# KiCad board VNA.kicad_pcb (continued)
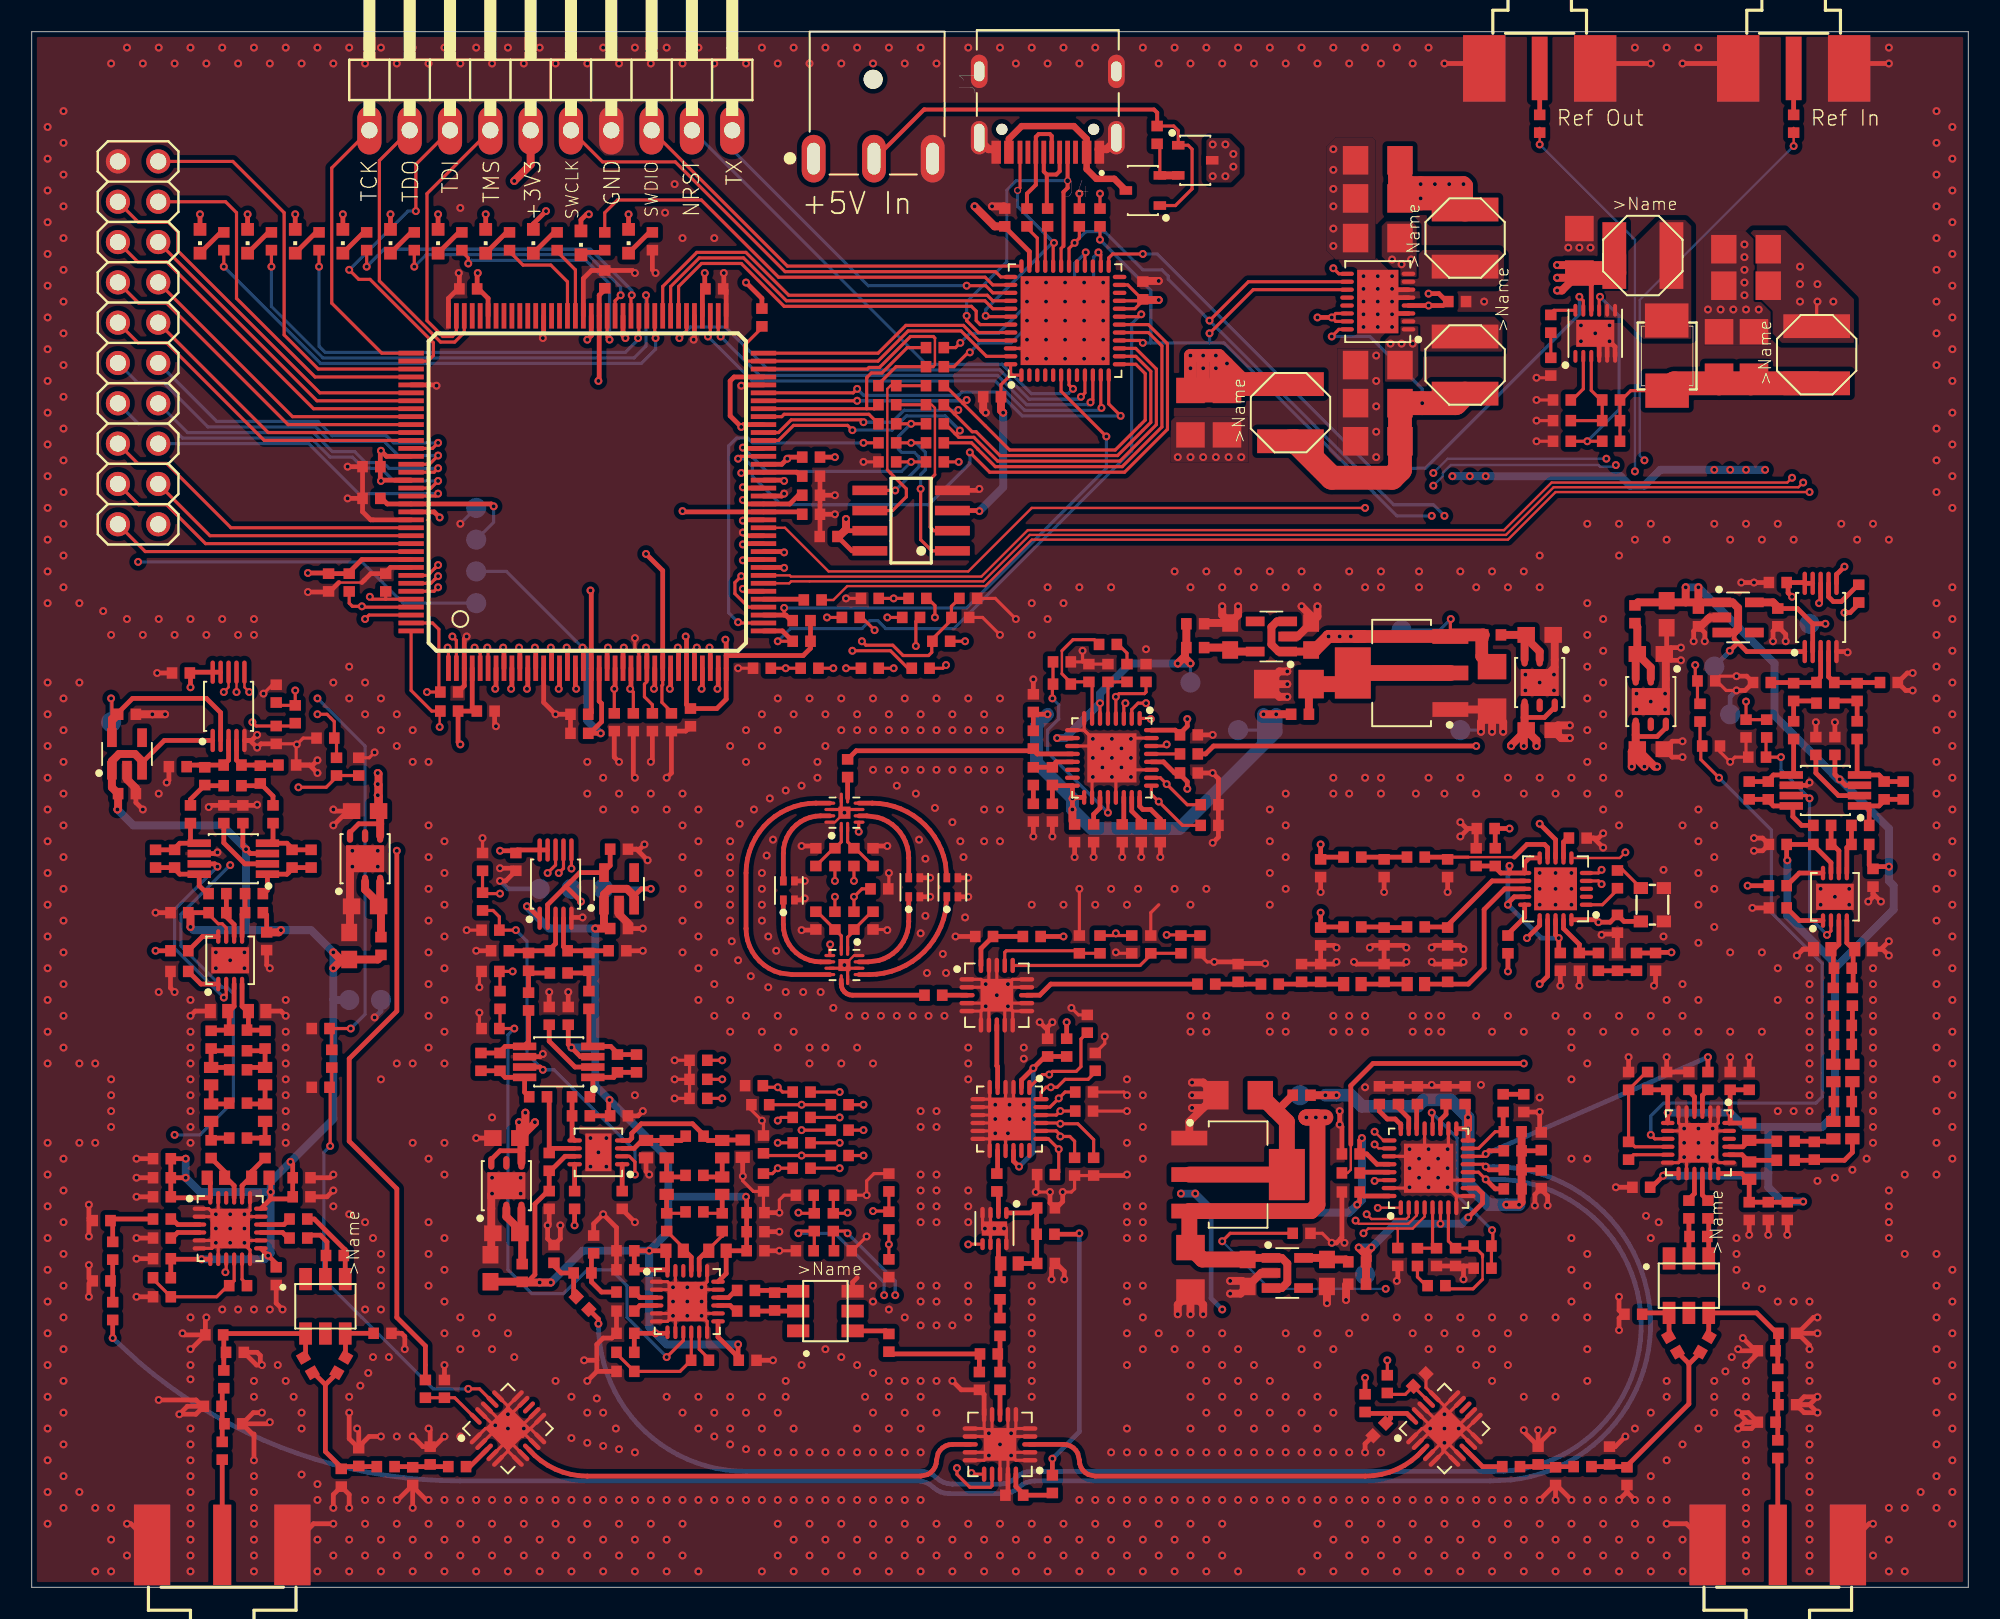
[diagram p0: board, top side]
## Routing (per net, layer and track width the routed paths; a pad name or vN(x,y) marks a point on that pad's centre or on a via; arc(x,y) is an arc through that point) (continued)
  vias: v1(1,92) v1(1,90) v1(1,88) v1(1,86) v1(1,84) v1(1,82) v1(1,80) v1(1,78) v1(1,76) v1(1,74) v1(1,72) v1(1,70) v1(1,68) v1(1,66) v1(1,64) v1(1,62) v1(1,57) v1(1,55) v1(1,53) v1(1,51) v1(1,49) v1(1,47) v1(1,45) v1(1,43) v1(1,41) v1(1,39) v1(1,37) v1(1,35) v1(1,33) v1(1,28) v1(1,26) v1(1,24) v1(1,22) v1(1,20) v1(1,18) v1(1,16) v1(1,14) v1(1,12) v1(1,10) v1(1,8) v1(1,6) v1(1,4) v1(2,93) v1(2,91) v1(2,89) v1(2,87) v1(2,85) v1(2,83) v1(2,81) v1(2,79) v1(2,77) v1(2,75) v1(2,73) v1(2,71) v1(2,69) v1(2,67) v1(2,65) v1(2,63) v1(2,56) v1(2,54) v1(2,52) v1(2,50) v1(2,48) v1(2,46) v1(2,44) v1(2,42) v1(2,40) v1(2,38) v1(2,36) v1(2,34) v1(2,27) v1(2,25) v1(2,23) v1(2,21) v1(2,19) v1(2,17) v1(2,15) v1(2,13) v1(2,11) v1(2,9) v1(2,7) v1(2,5) v1(3,62) v1(3,57) v1(3,33) v1(3,28) v1(3,6) v1(4,33) v1(4,28) v1(4,5) v1(4,1) v1(4.5,61.5) v1(5,96) v1(5,60) v1(5,32) v1(5,31) v1(5,30) v1(5,29) v1(5,5) v1(5,3) v1(5,1) v1(6,97) v1(6,61) v1(6,2) v1(7,96) v1(7,60) v1(8,97) v1(8,61) v1(8,50) v1(8,37.5) v1(9,96) v1(9,60) v1(10,97) v1(10,61) v1(10,37) v1(10,35) v1(10,34) v1(10,33) v1(10,32) v1(10,31) v1(10,30) v1(10,29) v1(10,28) v1(10,17) v1(10,14) v1(10,13.1) v1(10,10) v1(10,9) v1(10,8) v1(10,7) v1(10,6) v1(10,5) v1(10,4) v1(10,3) v1(10,2) v1(10,1) v1(11,96) v1(11,60) v1(11.6,40) v1(11.6,39) v1(11.6,23.5) v1(11.6,22.6) v1(11.6,21.7) v1(11.7,46.3) v1(12,97) v1(12,61) v1(12,17.5) v1(12.5,39.5) v1(12.5,23.5) v1(12.5,21.7) v1(13,96) v1(13,60) v1(13,17.5) v1(13.4,40) v1(13.4,39) v1(13.4,23.5) v1(13.4,22.6) v1(13.4,21.7) v1(14,97) v1(14,61) v1(14,60) v1(14,17.5) v1(14,13) v1(14,12) v1(14,7) v1(14,6) v1(14,5) v1(14,4) v1(14,3) v1(14,2) v1(14,1) v1(15,96) v1(15,17.5) v1(15.5,14) v1(16,97) v1(16,37) v1(16,35) v1(16,34) v1(16,33) v1(16,32) v1(16,31) v1(16,30) v1(16,29) v1(16,28) v1(16,13) v1(16.5,12) v1(17,96) v1(17,11) v1(17,10) v1(17,7.1) v1(18,97) v1(18,6.5) v1(18,5.5) v1(18,3) v1(18,1) v1(19,96) v1(19,57) v1(19,24) v1(19,2) v1(20,97) v1(20,58) v1(20,56) v1(20,23.5) v1(20,12) v1(20,3) v1(20,1) v1(20.2,46.4) v1(20.7,12.7) v1(21,96) v1(21,57) v1(21,55) v1(21,23) v1(21,17.5) v1(21,5.5) v1(21,4) v1(21,2) v1(21.2,13.5) v1(21.5,22) v1(21.5,14.5) v1(21.8,46.4) v1(21.8,45.4) v1(22,97) v1(22,56) v1(22,54) v1(22,32) v1(22,21) v1(22,20) v1(22,19) v1(22,17.5) v1(22,5.5) v1(22,3) v1(22,1) v1(22.5,14.5) v1(23,96) v1(23,55) v1(23,53) v1(23,33) v1(23,9.5) v1(23,4) v1(23,2) v1(24,97) v1(24,54) v1(24,52) v1(24,33) v1(24,28) v1(24,3) v1(24,1) v1(25,96) v1(25,52) v1(25,48) v1(25,46) v1(25,44) v1(25,42) v1(25,40) v1(25,38) v1(25,36) v1(25,34) v1(25,27) v1(25,23) v1(25,21) v1(25,19) v1(25,4) v1(25,2) v1(26,97) v1(26,47) v1(26,45) v1(26,43) v1(26,41) v1(26,39) v1(26,37) v1(26,35) v1(26,33) v1(26,28) v1(26,26) v1(26,22) v1(26,20) v1(26,18) v1(26,16) v1(26,5.5) v1(26,3) v1(26,1) v1(27,96) v1(27,86.9) v1(27,17) v1(27,15) v1(27,9.5) v1(27,5.5) v1(27,4) v1(27,2) v1(28,97) v1(28,16) v1(28,5.5) v1(28,3) v1(28,1) v1(29,96) v1(29,29.6) v1(29,25.8) v1(29,17) v1(29,15) v1(29,5.5) v1(29,4) v1(29,2) v1(29.2,10.2) v1(30,97) v1(30,16) v1(30,10.9) v1(30,5.5) v1(30,3) v1(30,1) v1(30.4,14.5) v1(30.8,25.8) v1(31,96) v1(31,10) v1(31,5.5) v1(31,4) v1(31,2) v1(32,97) v1(32,5.5) v1(32,3) v1(32,1) v1(33,96) v1(33,13) v1(33,5.5) v1(33,4) v1(33,2) v1(34,97) v1(34,12) v1(34,9.4) v1(34,5.5) v1(34,3) v1(34,1) v1(35,96) v1(35,52) v1(35,50) v1(35,11) v1(35,9.1) v1(35,5.5) v1(35,4) v1(35,2) v1(35.2,28.3) v1(35.2,26.5) v1(35.6,11.9) v1(35.7,27.4) v1(36,97) v1(36,51) v1(36,49) v1(36,11) v1(36,8.9) v1(36,5.5) v1(36,3) v1(36,1) v1(36.2,28.3) v1(36.2,26.5) v1(36.8,10) v1(37,96) v1(37,50) v1(37,8.7) v1(37,5.5) v1(37,4) v1(37,2) v1(38,97) v1(38,49) v1(38,31) v1(38,8.5) v1(38,5.5) v1(38,3) v1(38,1) v1(39,96) v1(39,50) v1(39,5.5) v1(39,4) v1(39,2) v1(39.9,86.6) v1(40,97) v1(40,49) v1(40,12) v1(40,5.5) v1(40,3) v1(40,1) v1(40.4,18.9) v1(40.4,18) v1(40.4,17.1) v1(40.5,88.4) v1(41,96) v1(41,85) v1(41,50) v1(41,48) v1(41,46) v1(41,44) v1(41,42) v1(41,40) v1(41,11) v1(41,5.5) v1(41,4) v1(41,2) v1(41.3,18.9) v1(41.3,17.1) v1(42,97) v1(42,49) v1(42,47) v1(42,45) v1(42,43) v1(42,41) v1(42,39) v1(42,37) v1(42,12) v1(42,10) v1(42,5.5) v1(42,1) v1(42.2,18.9) v1(42.2,18) v1(42.2,17.1) v1(43,96) v1(43,85) v1(43,40) v1(43,38) v1(43,36) v1(43,11) v1(43,9.5) v1(43,5.5) v1(44,97) v1(44,53) v1(44,47) v1(44,46) v1(44,45) v1(44,44) v1(44,43) v1(44,42) v1(44,37) v1(44,35) v1(44,12) v1(44,10) v1(44,9) v1(44,5.5) v1(44.1,40.7) v1(44.5,39.5) v1(44.6,48.1) v1(45,96) v1(45,54) v1(45,52) v1(45,36) v1(45,11) v1(45,8.7) v1(45,5.5) v1(45.3,38.5) v1(45.5,49) v1(46,97) v1(46,55) v1(46,53) v1(46,45) v1(46,44) v1(46,43) v1(46,42) v1(46,35) v1(46,12) v1(46,10) v1(46,8.5) v1(46,5.5) v1(46,1) v1(46.3,46.1) v1(46.4,41) v1(46.4,37.8) v1(46.5,49.7) v1(46.7,47.1) v1(46.9,40.1) v1(47,96) v1(47,56) v1(47,54) v1(47,36) v1(47,34) v1(47,11) v1(47,8.5) v1(47,5.5) v1(47,4) v1(47,2) v1(47.5,50.2) v1(47.5,37.5) v1(47.5,13) v1(47.5,12) v1(48,97) v1(48,55) v1(48,35) v1(48,10) v1(48,8.5) v1(48,5.5) v1(48,3) v1(48,1) v1(48.5,50.5) v1(48.5,14) v1(48.6,37.5) v1(49,96) v1(49,56) v1(49,34) v1(49,33) v1(49,8.5) v1(49,5.5) v1(49,4) v1(49,2) v1(49.5,52) v1(49.5,51) v1(49.7,37.5) v1(50,97) v1(50,55) v1(50,53) v1(50,34) v1(50,15) v1(50,8.5) v1(50,5.5) v1(50,3) v1(50,1) v1(50.5,36.5) v1(51,96) v1(51,56) v1(51,54) v1(51,33) v1(51,14.5) v1(51,8.5) v1(51,5.5) v1(51,4) v1(51,2) v1(51.5,36) v1(52,97) v1(52,55) v1(52,54) v1(52,34) v1(52,14) v1(52,10) v1(52,8.5) v1(52,5.5) v1(52,3) v1(52,1) v1(52.5,36) v1(52.5,12) v1(53,96) v1(53,56) v1(53,54) v1(53,51.5) v1(53,33) v1(53,19) v1(53,18) v1(53,13.5) v1(53,11) v1(53,8.5) v1(53,5.5) v1(53,4) v1(53,2) v1(53.5,36) v1(54,97) v1(54,55) v1(54,54) v1(54,51.5) v1(54,17.5) v1(54,13) v1(54,12) v1(54,10) v1(54,8.5) v1(54,5.5) v1(54,3) v1(54,1) v1(54.5,50.5) v1(54.5,36) v1(55,96) v1(55,56) v1(55,54) v1(55,51.5) v1(55,17) v1(55,13) v1(55,11) v1(55,8.5) v1(55,5.5) v1(55,4) v1(55,2) v1(55.5,36) v1(55.7,50) v1(55.9,47.1) v1(56,97) v1(56,55) v1(56,54) v1(56,51.5) v1(56,41.2) v1(56,30) v1(56,29) v1(56,26) v1(56,25) v1(56,24) v1(56,23) v1(56,19) v1(56,18) v1(56,16.5) v1(56,13) v1(56,12) v1(56,10) v1(56,8.5) v1(56,5.5) v1(56,3) v1(56,1) v1(56.3,45.9) v1(56.3,42.3) v1(56.4,38.7) v1(56.5,36) v1(56.9,49.1) v1(57,96) v1(57,56) v1(57,54) v1(57,51.5) v1(57,30) v1(57,29) v1(57,26) v1(57,25) v1(57,24) v1(57,23) v1(57,19) v1(57,18) v1(57,16.5) v1(57,13) v1(57,11) v1(57,4) v1(57,2) v1(57.4,39.9) v1(57.5,36) v1(57.6,38.7) v1(58,55) v1(58,54) v1(58,51.5) v1(58,48.2) v1(58,16.5) v1(58,3) v1(58,1) v1(58.5,47) v1(58.7,46) v1(58.8,42.2) v1(59,97) v1(59,56) v1(59,54) v1(59,51.5) v1(59,34) v1(59,33) v1(59,32) v1(59,25) v1(59,24) v1(59,23) v1(59,19) v1(59,18) v1(59,17) v1(59,4) v1(59,2) v1(60,55) v1(60,54) v1(60,51.5) v1(60,49) v1(60,47) v1(60,3) v1(60,1) v1(60.7,30.4) v1(61,97) v1(61,56) v1(61,54) v1(61,51.5) v1(61,49) v1(61,47) v1(61,4) v1(61,2) v1(61.5,36.6) v1(61.7,9.7) v1(61.7,8.3) v1(62,96) v1(62,3) v1(62,1) v1(62.5,34) v1(62.5,33.3) v1(62.5,30.4) v1(62.5,29.5) v1(62.7,82.2) v1(62.7,81) v1(62.7,79.8) v1(62.7,78.6) v1(62.7,77.4) v1(63,97) v1(63,62) v1(63,60) v1(63,43) v1(63,19) v1(63,18) v1(63,17) v1(63,16) v1(63,15) v1(63,14) v1(63,13) v1(63,12) v1(63,4) v1(63,2) v1(63.9,82.2) v1(63.9,81) v1(63.9,79.8) v1(63.9,78.6) v1(64,96) v1(64,63) v1(64,61) v1(64,3) v1(64,1) v1(65,97) v1(65,62) v1(65,43) v1(65,4) v1(65,2) v1(65.1,82.2) v1(65.1,81) v1(65.1,79.8) v1(65.1,78.6) v1(65.1,77.4) v1(66,96) v1(66,63) v1(66,5.5) v1(66,3) v1(66,1) v1(66.3,82.2) v1(66.3,81) v1(66.3,79.8) v1(66.3,78.6) v1(66.3,77.4) v1(66.85,53.45) v1(66.85,52.25) v1(66.85,51.05) v1(67,97) v1(67,43) v1(67,5.5) v1(67,4) v1(67,2) v1(67.5,82.2) v1(67.5,81) v1(67.5,79.8) v1(67.5,78.6) v1(67.5,77.4) v1(67.45,52.85) v1(67.45,51.65) v1(68,63) v1(68,44) v1(68,8.5) v1(68,5.5) v1(68,3) v1(68,1) v1(68.05,53.45) v1(68.05,51.05) v1(68.65,52.85) v1(68.65,51.65) v1(69,43) v1(69,32) v1(69,28) v1(69,24) v1(69,23) v1(69,22) v1(69,19) v1(69,18) v1(69,16) v1(69,14) v1(69,10) v1(69,8.5) v1(69,5.5) v1(69,4) v1(69,2) v1(69.25,53.45) v1(69.25,52.25) v1(69.25,51.05) v1(69.7,44) v1(70,97) v1(70,31) v1(70,29) v1(70,27) v1(70,24) v1(70,23) v1(70,22) v1(70,19) v1(70,17) v1(70,15) v1(70,8.5) v1(70,5.5) v1(70,3) v1(70,1) v1(70.2,59.1) v1(71,96) v1(71,16) v1(71,8.5) v1(71,5.5) v1(71,4) v1(71,2) v1(72,97) v1(72,64) v1(72,44) v1(72,15) v1(72,8.5) v1(72,5.5) v1(72,3) v1(72,1) v1(72.2,71.2) v1(73,96) v1(73,71.2) v1(73,63) v1(73,43) v1(73,36) v1(73,35) v1(73,16) v1(73,14) v1(73,12) v1(73,10) v1(73,8.5) v1(73,5.5) v1(73,4) v1(73,2) v1(73.8,71.2) v1(74,97) v1(74,64) v1(74,44) v1(74,36) v1(74,35) v1(74,15) v1(74,13) v1(74,11) v1(74,8.5) v1(74,5.5) v1(74,3) v1(74,1) v1(74.6,71.2) v1(75,96) v1(75,63) v1(75,16) v1(75,14) v1(75,12) v1(75,10) v1(75,8.5) v1(75,5.5) v1(75,4) v1(75,2) v1(75.4,71.2) v1(76,97) v1(76,64) v1(76,15) v1(76,13) v1(76,11) v1(76,8.5) v1(76,5.5) v1(76,1) v1(76.2,71.2) v1(77,96) v1(77,63) v1(77,14) v1(77,12) v1(77,10) v1(77,8.5) v1(77,5.5) v1(78,97) v1(78,64) v1(78,49) v1(78,47) v1(78,45) v1(78,43) v1(78,36) v1(78,35) v1(78,13) v1(78,11) v1(78,8.5) v1(78,5.5) v1(79,96) v1(79,63) v1(79,50) v1(79,48) v1(79,46) v1(79,44) v1(79,36) v1(79,35) v1(79,16) v1(79,12) v1(79,10) v1(79,8.5) v1(79,5.5) v1(80,97) v1(80,64) v1(80,15) v1(80,11) v1(80,8.5) v1(80,5.5) v1(80,1) v1(81,96) v1(81,63) v1(81,16) v1(81,14) v1(81,12) v1(81,10) v1(81,8.5) v1(81,5.5) v1(81,4) v1(81,2) v1(82,97) v1(82,90.6) v1(82,89.3) v1(82,88.1) v1(82,87) v1(82,85.6) v1(82,84.5) v1(82,51) v1(82,50) v1(82,36) v1(82,35) v1(82,15) v1(82,11) v1(82,8.5) v1(82,5.5) v1(82,3) v1(82,1) v1(83,96) v1(83,64) v1(83,50) v1(83,36) v1(83,35) v1(83,16) v1(83,8.5) v1(83,5.5) v1(83,4) v1(83,2) v1(83.9,82.6) v1(83.9,81.8) v1(83.9,80.2) v1(83.9,79.4) v1(84,97) v1(84,63) v1(84,51) v1(84,36) v1(84,35) v1(84,31.5) v1(84,17) v1(84,5.5) v1(84,3) v1(84,1) v1(84.7,77.6) v1(84.7,76) v1(84.7,74.4) v1(84.7,72.8) v1(84.7,71.2) v1(84.8,82.6) v1(84.8,81) v1(84.8,79.4) v1(85,96) v1(85,64) v1(85,63) v1(85,51) v1(85,50) v1(85,8.5) v1(85,5.5) v1(85,4) v1(85,2) v1(85.7,82.6) v1(85.7,81.8) v1(85.7,81) v1(85.7,80.2) v1(85.7,79.4) v1(86,97) v1(86,17) v1(86,5.5) v1(86,3) v1(86,1) v1(86.8,27.6) v1(86.8,26.4) v1(86.8,25.2) v1(87,96) v1(87,36) v1(87,35) v1(87,16) v1(87,5.5) v1(87,4) v1(87,2) v1(87.2,50) v1(87.4,64) v1(87.4,63) v1(87.4,27) v1(87.4,25.8) v1(88,97) v1(88,51) v1(88,36) v1(88,35) v1(88,27.6) v1(88,25.2) v1(88,17) v1(88,15) v1(88,5.5) v1(88,3) v1(88,1) v1(88.1,10) v1(88.6,27) v1(88.6,25.8) v1(88.8,36) v1(88.8,35) v1(89,50) v1(89,16) v1(89,10.9) v1(89,9.1) v1(89,5.5) v1(89,4) v1(89,2) v1(89.2,27.6) v1(89.2,26.4) v1(89.2,25.2) v1(89.9,10) v1(90,64) v1(90,51) v1(90,17) v1(90,15) v1(90,5.5) v1(90,3) v1(90,1) v1(91,63) v1(91,50) v1(91,36) v1(91,16) v1(91,14) v1(91,5.5) v1(91,4) v1(91,2) v1(91.3,31.65) v1(91.5,81) v1(92,64) v1(92,35) v1(92,17) v1(92,15) v1(92,13) v1(92,5.5) v1(92,3) v1(92,1) v1(93,63) v1(93,51) v1(93,36) v1(93,16) v1(93,14) v1(93,5.5) v1(93,4) v1(93,2) v1(94,64) v1(94,50) v1(94,35) v1(94,17) v1(94,12) v1(94,9.9) v1(94,5.5) v1(94,3) v1(94,1) v1(94.1,57.5) v1(94.1,56.5) v1(95,65) v1(95,63) v1(95,51) v1(95,45) v1(95,44) v1(95,43) v1(95,30.85) v1(95,4) v1(95,2) v1(95.9,57.5) v1(95.9,56.5) v1(96,50) v1(96,45) v1(96,44) v1(96,43) v1(96,36) v1(96,17) v1(96,12) v1(96,3) v1(96,1) v1(96.8,84.4) v1(97,51) v1(97,45) v1(97,44) v1(97,43) v1(97,35) v1(97,34) v1(97,32) v1(97,27) v1(97,22) v1(97,20) v1(97,18) v1(97,4) v1(97,2) v1(97.5,84.4) v1(97.6,79.5) v1(97.6,78.5) v1(98,67) v1(98,62) v1(98,60) v1(98,58) v1(98,56) v1(98,54) v1(98,52) v1(98,50) v1(98,36) v1(98,33) v1(98,27) v1(98,21) v1(98,19) v1(98,17) v1(98,15) v1(98,13) v1(98,5.5) v1(98,3) v1(98,1) v1(98.2,84.4) v1(99,61) v1(99,59) v1(99,57) v1(99,55) v1(99,53) v1(99,51) v1(99,49) v1(99,35) v1(99,5.5) v1(99,4) v1(99,2) v1(99.4,79.5) v1(100,67) v1(100,65) v1(100,50) v1(100,48) v1(100,36) v1(100,3) v1(100,1) v1(101,97) v1(101,66) v1(101,35) v1(101,10) v1(101,4) v1(101,2) v1(101.1,56.3) v1(101.1,55.3) v1(101.7,23.4) v1(102,67) v1(102,55.8) v1(102,36) v1(102,22) v1(102,11) v1(102,7) v1(102,5.5) v1(102,3) v1(102,1) v1(102.5,23) v1(102.8,45.2) v1(102.8,41) v1(102.9,55.3) v1(103,97) v1(103,66) v1(103,37) v1(103,35) v1(103,13) v1(103,12) v1(103,8) v1(103,5.5) v1(103,2) v1(104,48) v1(104,38) v1(104,36) v1(104,9) v1(104,1) v1(104.1,28.9) v1(104.1,28) v1(104.1,27.1) v1(105,97) v1(105,49) v1(105,47) v1(105,45) v1(105,43) v1(105,40.6) v1(105,37) v1(105,35) v1(105,28.9) v1(105,27.1) v1(105,10) v1(105.6,80.5) v1(105.9,28.9) v1(105.9,28) v1(106,67) v1(106,48) v1(106,46) v1(106,44) v1(106,41.6) v1(106,13) v1(106,12) v1(106,11) v1(106.4,80.5) v1(106.7,13.6) v1(107,66) v1(107,40) v1(107,35) v1(107.1,14.5) v1(107.2,80.5) v1(107.4,22) v1(107.4,21) v1(107.4,20) v1(107.9,84.6) v1(107.9,83.8) v1(107.9,83) v1(107.9,82.2) v1(107.9,81.4) v1(108,80.5) v1(108,67) v1(108,19) v1(108,13) v1(108,12) v1(108,9) v1(108,8) v1(108,7) v1(108,6) v1(108,5) v1(108,4) v1(108,3) v1(108,2) v1(108,1) v1(108.8,80.5) v1(109,66) v1(109,40) v1(109,35) v1(109,18.8) v1(110,67) v1(110,39) v1(110,37) v1(110,30) v1(110,18) v1(111,66) v1(111,30) v1(111,18) v1(112,39) v1(112,38) v1(112,37) v1(112,36) v1(112,35) v1(112,34) v1(112,33) v1(112,32) v1(112,31) v1(112,30) v1(112,18) v1(112,14) v1(112,13) v1(112,10) v1(112,9) v1(112,8) v1(112,7) v1(112,6) v1(112,5) v1(112,4) v1(112,3) v1(112,2) v1(112,1) v1(112.5,25.6) v1(112.7,44) v1(112.7,43) v1(113.6,43.5) v1(113.6,25.8) v1(114,67) v1(114.5,44) v1(114.5,43) v1(114.7,26.3) v1(115,66) v1(115.6,27) v1(116,67) v1(116,39) v1(116,38) v1(116,37) v1(116,36) v1(116,35) v1(116,34) v1(116,33) v1(116,32) v1(116,31) v1(116,30) v1(116,29) v1(116,28) v1(116,2) v1(117,97) v1(117,66) v1(117,25) v1(117,24) v1(117,23) v1(117,22) v1(117,5) v1(117,3) v1(117,1) v1(118,26) v1(118,21) v1(118,5) v1(118,1) v1(119,6) v1(120,93) v1(120,91) v1(120,89) v1(120,87) v1(120,85) v1(120,83) v1(120,81) v1(120,79) v1(120,77) v1(120,73) v1(120,71) v1(120,69) v1(120,62) v1(120,60) v1(120,58) v1(120,56) v1(120,54) v1(120,52) v1(120,50) v1(120,48) v1(120,46) v1(120,44) v1(120,42) v1(120,40) v1(120,38) v1(120,36) v1(120,34) v1(120,32) v1(120,30) v1(120,28) v1(120,26) v1(120,21) v1(120,19) v1(120,17) v1(120,15) v1(120,13) v1(120,11) v1(120,9) v1(120,7) v1(120,5) v1(121,92) v1(121,90) v1(121,88) v1(121,86) v1(121,84) v1(121,82) v1(121,80) v1(121,78) v1(121,76) v1(121,74) v1(121,72) v1(121,70) v1(121,68) v1(121,63) v1(121,61) v1(121,59) v1(121,57) v1(121,55) v1(121,53) v1(121,51) v1(121,49) v1(121,47) v1(121,45) v1(121,43) v1(121,41) v1(121,39) v1(121,37) v1(121,35) v1(121,33) v1(121,31) v1(121,29) v1(121,27) v1(121,20) v1(121,18) v1(121,16) v1(121,14) v1(121,12) v1(121,10) v1(121,8) v1(121,6) v1(121,4)
VCCINT: length 57.2
  1_top w0.2: U2.P28 39.75,56.86 39.7,56.81 39.7,55.75 40.3,55.15 C213.1 ; C10.1 v1(87.5,87.5) ; IC2.9 82.35,82.75 v1(82,83.1)
  1_top w0.3: v1(41,67.8) 41,67.75 U2.P52 48.3,67.75 48.45,67.6 C215.1 ; v1(35.7,76) 35.75,76.05 U2.P89 35.75,81.4 36.1,81.75 C219.1 ; v1(29.1,68.1) 28.95,68.25 U2.P128 22.4,68.25 22.05,68.6 C211.1 ; v1(35.2,62.8) 35.25,62.75 U2.P19 35.25,55.1 35.15,55 C217.1 ; U2.P28 39.75,64.05 v1(38.7,65.1)
  1_top w1: L2.P$2 90.3,88.3 v1(90.2,88.4) v1(87.5,88.4) 86.8,88.4 86.2,89
  1_top w1.5: C7.1 C10.1 v1(87.5,87.5) 89.6,87.5 L2.P$2
  4_bot w0.2: TP1.TP 29.1,67.1 v1(29.1,68.1)
  vias: v1(88.4,88.4) v1(89.3,88.4)
+5V/1: length 101.9
  1_top w0.2: IC22.7 12.25,41.55 12,41.8 11.75,41.8 11.14,42.41 R53.1
  1_top w0.3: IC24.13 v1(14.89,20.89) 15.4,20.38 C106.1 ; IC24.7 v1(10.7,20.67) 8.88,20.67 8.85,20.7 C104.1 R60.1 ; C119.1 C105.1 8.83,24.53 11.25,24.53 11.25,25.5 11.05,25.7 L33.1 ; C119.1 C108.1 v1(9.7,27) ; C119.1 v1(9.7,25.8) ; IC24.18 15.05,24.47 ; 15.05,24.47 v1(15.05,24.9) 15.05,25.7 L32.1 ; 15.05,24.47 16.31,24.47 C111.1 C122.1 16.44,26.66 v1(16.3,26.8) ; C102.2 14.8,42.35 14.65,42.5 R54.1 ; R53.1 C103.2 9.95,42.5 10,42.45 ; IC23.3 13.78,46.23 v1(13.5,46.5) 13.3,46.7 C115.2 ; IC26.1 8.35,53.35 7,52 6.95,52
  1_top w0.5: IC25.3 6.95,52.05 6.5,52.5 5.5,52.5 5.05,52.05 IC25.1 5.05,50.39 C129.1 5.44,49.04 v1(5.4,49) ; 10,42.45 v1(10,41.6) ; C26.2 19.45,39.55 v1(19,40) ; C26.2 19.55,39.55 v1(19,39) ; C26.2 21.8,39.55 22,39.75 L6.2 ; C102.2 15.56,41.26 v1(15.7,41.4)
  4_bot w0.5: v1(15.05,24.9) 15.05,21.05 v1(14.89,20.89) 14.67,20.67 v1(10.7,20.67) ; v1(15.05,24.9) 15.05,25.55 v1(16.3,26.8) 19,29.5 19,37 ; v1(15.05,24.9) 10.6,24.9 v1(9.7,25.8) v1(9.7,27) ; 19,37 v1(19,40) 17.6,41.4 v1(15.7,41.4) 13.5,41.4 ; 19,37 TP5.TP ; 13.5,41.4 10.2,41.4 v1(10,41.6) ; 13.5,41.4 v1(13.5,46.5) 12,48 6.4,48 v1(5.4,49)
+5V/2: length 120.8
  1_top w0.2: C145.1 110.64,24.3 110.65,24.3
  1_top w0.3: IC29.13 102.92,26.07 ; 102.92,26.07 v1(102.78,25.93) ; 102.92,26.07 v1(102.78,25.93) ; v1(102.78,25.93) 102.05,25.2 C141.1 ; IC29.18 107.1,26.07 ; 107.1,26.07 107.3,26.07 ; 107.1,26.07 107.3,26.07 ; 107.3,26.07 107.73,26.07 108.1,25.7 L40.1 C148.1 C156.1 C145.1 ; IC29.7 v1(103.07,29.9) 103.07,31.18 103,31.25 C142.1 R87.1 ; C159.1 C143.1 v1(107,29.9) 107,29.32 IC29.24 108.2,29.25 L41.1 ; 110.65,24.3 v1(111.6,24.3) ; IC27.7 113.35,45.65 112.2,46.8 R80.1 C139.2 110.56,45.84 v1(110.6,45.8) ; IC28.3 114.28,50.53 v1(113.9,50.9) 113.6,51.2 C152.2 ; IC31.1 108.05,58.95 107.5,59.5 ; 107.25,60.15 107.25,59.75 107.5,59.5 ; 107.5,59.5 107.48,59.5 v1(106.98,59) ; R81.1 115.76,45.5 C140.2 116.14,45.4 v1(117,45.4)
  1_top w0.5: 102.9,62.05 102.8,61.95 102.9,62.05 ; 102.9,62.05 C27.2 ; 102.9,62.05 104.2,62.05 ; 102.9,62.05 101.19,62.05 L7.2 ; 105,62.05 IC30.1 107.15,62.05 107.5,61.7 107.5,60.4 107.25,60.15 IC30.3 ; 105,62.05 104.2,62.05 ; 105,62.05 C166.1 v1(105,63) ; 104.2,62.05 v1(104.2,63)
  4_bot w0.3: TP7.TP 106.98,58.98 v1(106.98,59)
  4_bot w0.5: v1(104.2,63) v1(105,63) 109.8,58.2 109.8,54.9 113.8,50.9 v1(113.9,50.9) 117,47.8 v1(117,45.4) 117,44.5 117.3,44.2 117.3,42.7 113.6,39 ; v1(110.6,45.8) 110.6,42.3 113.6,39.3 113.6,39 ; 113.6,39 113.6,29.8 112.8,29 109.3,29 ; 109.3,29 107.9,29 v1(107,29.9) v1(103.07,29.9) ; 109.3,29 109.4,28.9 109.4,26.1 ; v1(111.6,24.3) 110.3,24.3 109.4,25.2 109.4,26.1 ; 109.4,26.1 109.23,25.93 v1(102.78,25.93)
+5V/3: length 104.6
  1_top w0.2: L8.2 31.24,19.24 31.4,19.4
  1_top w0.3: IC33.7 39.98,16 v1(39.3,16) C180.1 R101.1 ; IC33.13 43.23,15.77 44.54,14.46 C175.1 ; R103.1 C204.2 36.35,29.79 36.35,30.65 v1(36.4,30.7) ; IC36.7 33.6,27.15 32.69,26.24 R102.1 C205.2 32.51,24.96 31.7,24.15 31.7,19.7 31.4,19.4 ; IC32.3 34.58,33.43 v1(34,34) 33.8,34.2 C181.2 ; 44.5,14.6 44.5,14.35 44.54,14.31 C175.1 ; 44.5,14.6 v1(44.5,15.3) ; 44.5,14.6 44.54,14.56 C175.1 ; IC35.1 31.25,42.9 v1(31.2,42.9) ; v1(39,44) 38.4,44 37.95,43.55 ; C195.1 36.14,41.8 36.05,41.8 ; v1(45,24.6) 45.04,24.56 C177.1 C193.1 C172.1 L46.1 43.75,19.76 IC33.18 ; 40.05,19.93 39.98,20 C171.1 C190.1 v1(38.9,21.2) L47.1 40.05,21.1 40.05,19.93
  1_top w0.5: C28.2 30.9,19.25 L8.2 ; 36.05,41.8 IC34.1 36.05,43.65 36.4,44 37.5,44 37.95,43.55 IC34.3 ; C195.1 v1(35.5,41.5) ; v1(32.7,19.2) 30.94,19.2 ; 30.94,19.2 L8.2 ; 30.94,19.2 L8.2 ; 30.94,19.2 L8.2 ; 30.94,19.2 L8.2 ; 30.94,19.2 L8.2
  4_bot w0.3: TP9.TP v1(39,44)
  4_bot w0.5: v1(44.5,15.3) 40,15.3 v1(39.3,16) 38.9,16.4 v1(38.9,21.2) ; v1(38.9,21.2) 40.1,22.4 40.1,24.5 ; v1(38.9,21.2) 34.7,21.2 v1(32.7,19.2) v1(32,19.2) ; v1(31.2,42.9) 32.6,41.5 v1(35.5,41.5) 35.5,34 ; 35.5,34 35.5,31.6 v1(36.4,30.7) 40.1,27 40.1,24.5 ; 35.5,34 v1(34,34) ; 40.1,24.5 40.2,24.6 v1(45,24.6)
+5V/4: length 86.2
  1_top w0.2: IC8.3 89.37,60.97 v1(89.4,61)
  1_top w0.5: 89.47,60 IC8.3 ; C49.1 91.35,58.65 ; C50.1 80.5,58.95 IC9.1 78.55,58.95 78.1,59.4 78.1,60.5 78.45,60.85 IC9.3 ; C79.1 76.7,20.75 IC20.1 78.75,20.75 79.1,20.4 79.1,19.2 78.75,18.85 IC20.3
  1_top w0.8: 89.47,60 L9.2 91.35,59.91 91.35,58.65 C49.1 ; IC8.3 83.9,59.9 ; 83.9,59.9 83.4,59.9 ; 83.9,59.9 83.4,59.9 ; 83.4,59.9 v1(82.4,59.9) ; v1(82.4,59.9) v1(81.7,59.9) ; v1(82.4,59.9) v1(81.7,59.9) ; v1(81.7,59.9) 80.85,59.05 C50.1
  1_top w1: C79.1 73.75,20.65 C78.1 72.93,21.47 IC19.3 80.6,23.7 81,24.1 81,29.6 v1(80.9,29.6) ; v1(80.9,29.6) v1(80.3,29.6) ; v1(80.9,29.6) v1(80.3,29.6) ; v1(80.9,29.6) v1(81.5,29.6) ; v1(80.9,29.6) v1(80.3,29.6)
  3_pwr w1: v1(81.5,29.6) v1(80.9,29.6) v1(80.3,29.6) 80.3,58.5 v1(81.7,59.9) v1(82.4,59.9) v1(83.1,59.9)
  4_bot w0.2: TP11.TP 88.7,60.3 v1(89.4,61)
/Source/SOURCE_VCC: length 84.8
  1_top w0.2: IC12.3 50.28,40.48 v1(50.3,40.5) ; IC11.3 52.1,48.18 v1(52.1,47.6) ; IC10.6 v1(67.3,55.7)
  1_top w0.3: IC10.10 v1(64.6,53.5)
  1_top w0.5: C57.1 L20.2 72.65,59.11 72.65,58.65 ; v1(72.2,58.2) 72.65,58.65 ; 72.65,58.65 72.65,58.55 v1(73,58.2)
  3_pwr w0.3: 64.2,39.5 64.2,41.2 64.7,41.7 65.4,41.7 68,39.1 71.5,39.1 72.1,39.7 72.1,41.5 70.5,43.1 70.5,47.2
  3_pwr w0.305: v1(64.6,53.5) 64.6,52.1 66.5,50.2 71.1,50.2 71.6,49.7 71.6,48.1 70.7,47.2 65.6,47.2 64.7,46.3 62.8,46.3 61.5,47.6 56.4,47.6 56.2,47.8 52.3,47.8 v1(52.1,47.6) ; v1(50.3,40.5) 57.8,40.5 59.7,38.6 63.3,38.6 64.2,39.5
  4_bot w0.2: TP13.TP v1(73,58.2)
  4_bot w0.5: v1(64.6,53.5) 65.1,53.5 v1(67.3,55.7) 67.3,56.3 69.2,58.2 v1(72.2,58.2) v1(73,58.2)
/VNA_9/FPGA_CCLK: length 17.5
  1_top w0.15: 56.9,78.7 56.9,77 56.8,76.9
  1_top w0.2: 56.8,76.9 R109.2 54.45,76.9 53.34,75.79 R111.2 ; 56.9,78.7 56.8,78.8 55.36,78.8 53.41,76.85 52.75,76.85 52.65,76.75 U2.P70
/VNA_9/FPGA_CSO_B: length 22.7
  1_top w0.2: R114.2 v1(52.4,72.1) ; v1(44.5,60.8) 44.55,60.75 U2.P38
  4_bot w0.2: v1(52.4,72.1) 45.4,72.1 45.1,72.4 44.4,72.4 43.9,71.9 43.9,61.4 v1(44.5,60.8)
/VNA_9/FPGA_DIN: length 13.8
  1_top w0.2: U2.P65 52.6,74.25 ; 52.6,74.25 52.6,76.2 52.65,76.25 52.65,76.25 52.9,76.5 53.56,76.5 55.16,78.1 R110.2 ; 52.6,74.25 53.09,74.25 R113.2
/VNA_9/FPGA_DONE: length 20.8
  1_top w0.2: IC37.47 60.15,77.55 58.55,79.15 55.22,79.15 53.32,77.25 U2.P71 45.05,77.25 44.9,77.4 44.9,78.25 46,79.35 R129.1
/VNA_9/FPGA_INIT_B: length 33.4
  1_top w0.2: IC37.6 64.85,75.35 v1(67.7,72.5) ; v1(47.4,61.7) 47.4,61.25
  1_top w0.3: U2.P39 47.5,61.25 47.85,60.9 R128.1
  4_bot w0.2: v1(67.7,72.5) 67.7,70.49 58.91,61.7 v1(47.4,61.7)
/VNA_9/FPGA_M1: length 14.7
  1_top w0.2: R108.2 v1(55.4,70.9) R115.1
  1_top w0.3: U2.P60 44.85,71.75 v1(44.8,71.8)
  4_bot w0.2: v1(55.4,70.9) 54.8,70.3 46.3,70.3 v1(44.8,71.8)
/VNA_9/FPGA_MOSI: length 7.6
  1_top w0.2: U2.P64 47.25,73.75 47.4,73.9 52.74,73.9 R112.2
/VNA_9/FPGA_PROGRAM_B: length 41
  1_top w0.2: IC37.19 69.75,80.05 v1(69.9,80.2) ; v1(47,59.6) R127.1
  1_top w0.3: R127.1 47.29,60.25 U2.P37
  4_bot w0.2: v1(69.9,80.2) 69.3,79.6 69.3,71.6 58.1,60.4 53.8,60.4 53.3,60.9 52.8,60.9 52.3,60.4 47.8,60.4 v1(47,59.6)
/VNA_9/FPGA_RESET: length 16.7
  1_top w0.2: U2.P72 53.32,77.75 55.07,79.5 58.69,79.5 59.64,78.55 IC37.45
/VNA_9/MCU_FLASH_CS: length 23.5
  1_top w0.2: IC37.17 70.35,79.05 71.2,78.2 71.2,73.1 68.7,70.6 60.7,70.6 59.6,71.7 59.6,71.71 59.21,72.1 R107.1
/VNA_9/MCU_FPGA_CCLK: length 16.2
  1_top w0.2: R109.1 58.1,76.9 59,77.8 v1(59.1,77.8) ; IC37.26 67.35,83.95 v1(67.2,84.1)
  4_bot w0.2: v1(59.1,77.8) 59.7,78.4 61.7,78.4 62.5,79.2 66.6,79.2 66.9,79.5 66.9,83.8 v1(67.2,84.1)
/VNA_9/MCU_FPGA_DIN: length 14
  1_top w0.2: R110.1 58.2,78.1 v1(58.5,78.4) ; IC37.28 66.35,84.05 v1(66.4,84.1)
  4_bot w0.2: v1(58.5,78.4) 59.1,79 60.9,79 62.3,80.4 65.5,80.4 65.7,80.6 65.7,83.4 v1(66.4,84.1)
/VNA_9/MCU_FPGA_NSS: length 26.3
  1_top w0.2: U2.P67 51.75,75.25 v1(52,75.5) ; v1(68.6,73.8) 67.85,74.55 IC37.12
  4_bot w0.2: v1(52,75.5) 52.4,75.1 58.4,75.1 58.6,75.3 60.9,75.3 62.4,73.8 v1(68.6,73.8)
/VNA_9/MCU_INTR: length 42.6
  1_top w0.2: IC37.18 70.34,79.55 71.55,78.34 71.55,72.96 68.84,70.25 60.35,70.25 v1(59.1,71.5) ; v1(44.5,71.1) 44.65,71.25 U2.P59
  4_bot w0.2: v1(59.1,71.5) 59.1,70.8 56.5,68.2 47.2,68.2 45.4,70 45.4,70.6 44.9,71.1 v1(44.5,71.1)
/VNA_9/MCU_MISO: length 34.1
  1_top w0.2: 58.13,73.93 59.25,72.8 59.5,72.8 61,71.3 68.41,71.3 70.5,73.39 70.5,76.61 69.56,77.55 IC37.14 ; 58.13,73.93 v1(58.37,74.17) ; 58.13,73.93 57.55,74.5 R106.1 ; U2.P62 47.05,72.75 47.85,73.55 52.25,73.55 v1(52.4,73.4)
  4_bot w0.2: v1(52.4,73.4) 54.21,73.4 54.96,74.15 58.35,74.15 v1(58.37,74.17)
/VNA_9/MCU_MOSI: length 35.7
  1_top w0.2: 58.17,72.68 58.4,72.45 59.35,72.45 60.85,70.95 68.56,70.95 70.85,73.24 70.85,76.75 69.55,78.05 IC37.15 ; 58.17,72.68 58.28,72.68 v1(58.47,72.87) ; 58.17,72.68 57.55,73.3 R105.1 ; U2.P61 47.04,72.25 47.99,73.2 51.4,73.2 v1(51.7,72.9)
  4_bot w0.2: v1(51.7,72.9) 54.2,72.9 55.1,73.8 57.54,73.8 v1(58.47,72.87)
/VNA_9/MCU_SCK: length 33.1
  1_top w0.2: 58.67,74.58 57.55,75.7 R104.1 ; 58.67,74.58 61.6,71.65 68.27,71.65 70.15,73.53 70.15,76.46 69.56,77.05 IC37.13 ; 58.67,74.58 v1(58.9,74.8) ; U2.P66 v1(52,74.75)
  4_bot w0.2: v1(52,74.75) 58.85,74.75 v1(58.9,74.8)
/VNA_9/NRST: length 32
  1_top w0.2: IC37.7 65.35,75.75 v1(65.6,75.5)
  4_bot w0.2: v1(65.6,75.5) 65.3,75.2 62.98,75.2 61.13,77.05 56.35,77.05 41.61,91.79 JP1.9
/VNA_9/SWCLK: length 31.5
  1_top w0.2: JP1.6 35.96,89.8 40.55,89.8 47.46,82.88 60.72,82.88 61.05,82.55 IC37.37
/VNA_9/SWDIO: length 26.8
  1_top w0.2: IC37.36 47.61,83.23 JP1.8
/VNA_9/TCK: length 18.2
  1_top w0.2: U2.P109 22.05,77.75 18.9,80.9 18.9,89.42 JP1.1
/VNA_9/TDI: length 21.3
  1_top w0.2: U2.P110 24.95,77.25 25.3,77.6 25.3,78.41 21.31,82.4 20.6,82.4 v1(20,83) ; v1(24.2,86.7) 24.2,89.64 JP1.3
  4_bot w0.2: v1(20,83) 23.7,86.7 v1(24.2,86.7)
/VNA_9/TDO: length 18.5
  1_top w0.2: U2.P106 27.25,79.06 26.64,78.45 25.76,78.45 21.9,82.31 21.9,89.88 JP1.2
/VNA_9/TMS: length 17.1
  1_top w0.2: U2.P107 26.75,79.05 26.5,78.8 25.9,78.8 24.9,79.8 24.9,87.8 JP1.4
/VNA_9/UART_TX: length 22.5
  1_top w0.2: v1(58.9,82) 60.1,82 60.55,81.55 IC37.39
  4_bot w0.2: JP1.10 44.13,90.57 52.7,82 v1(58.9,82)
AMP_PWDN: length 51.7
  1_top w0.2: R153.2 C243.1 ; 53.95,23.7 v1(53,23.7)
  1_top w0.3: U2.P8 29.75,59.15 v1(29.7,59.2) ; R153.2 53.99,23.66 53.95,23.7
  3_pwr w0.15: v1(29.7,59.2) 29.7,55.35 30.98,54.07 30.98,49.82 35.08,45.72 35.08,42.5 35.18,42.4 35.18,41.85 ; 35.18,41.85 35.03,41.7 ; 35.18,41.85 35.03,41.7 ; 35.03,41.7 35.03,39.88 41.7,33.2 41.7,30.6 47.8,24.5 51.6,24.5 52.4,23.7 v1(53,23.7)
ATT_D0: length 36.9
  1_top w0.2: R156.2 47.3,31.2 v1(47,31.5) 46.25,31.5
  1_top w0.3: U2.P16 33.75,59.15 v1(33.7,59.2) ; C249.1 46.15,31.6 46.25,31.5
  3_pwr w0.15: v1(33.7,59.2) 33.7,56.52 33.8,56.42 33.8,49.97 37.8,45.97 37.8,40.1 46.4,31.5 v1(47,31.5)
